# Allegro board FH8858v310_app_board_v1.1.brd (continued)
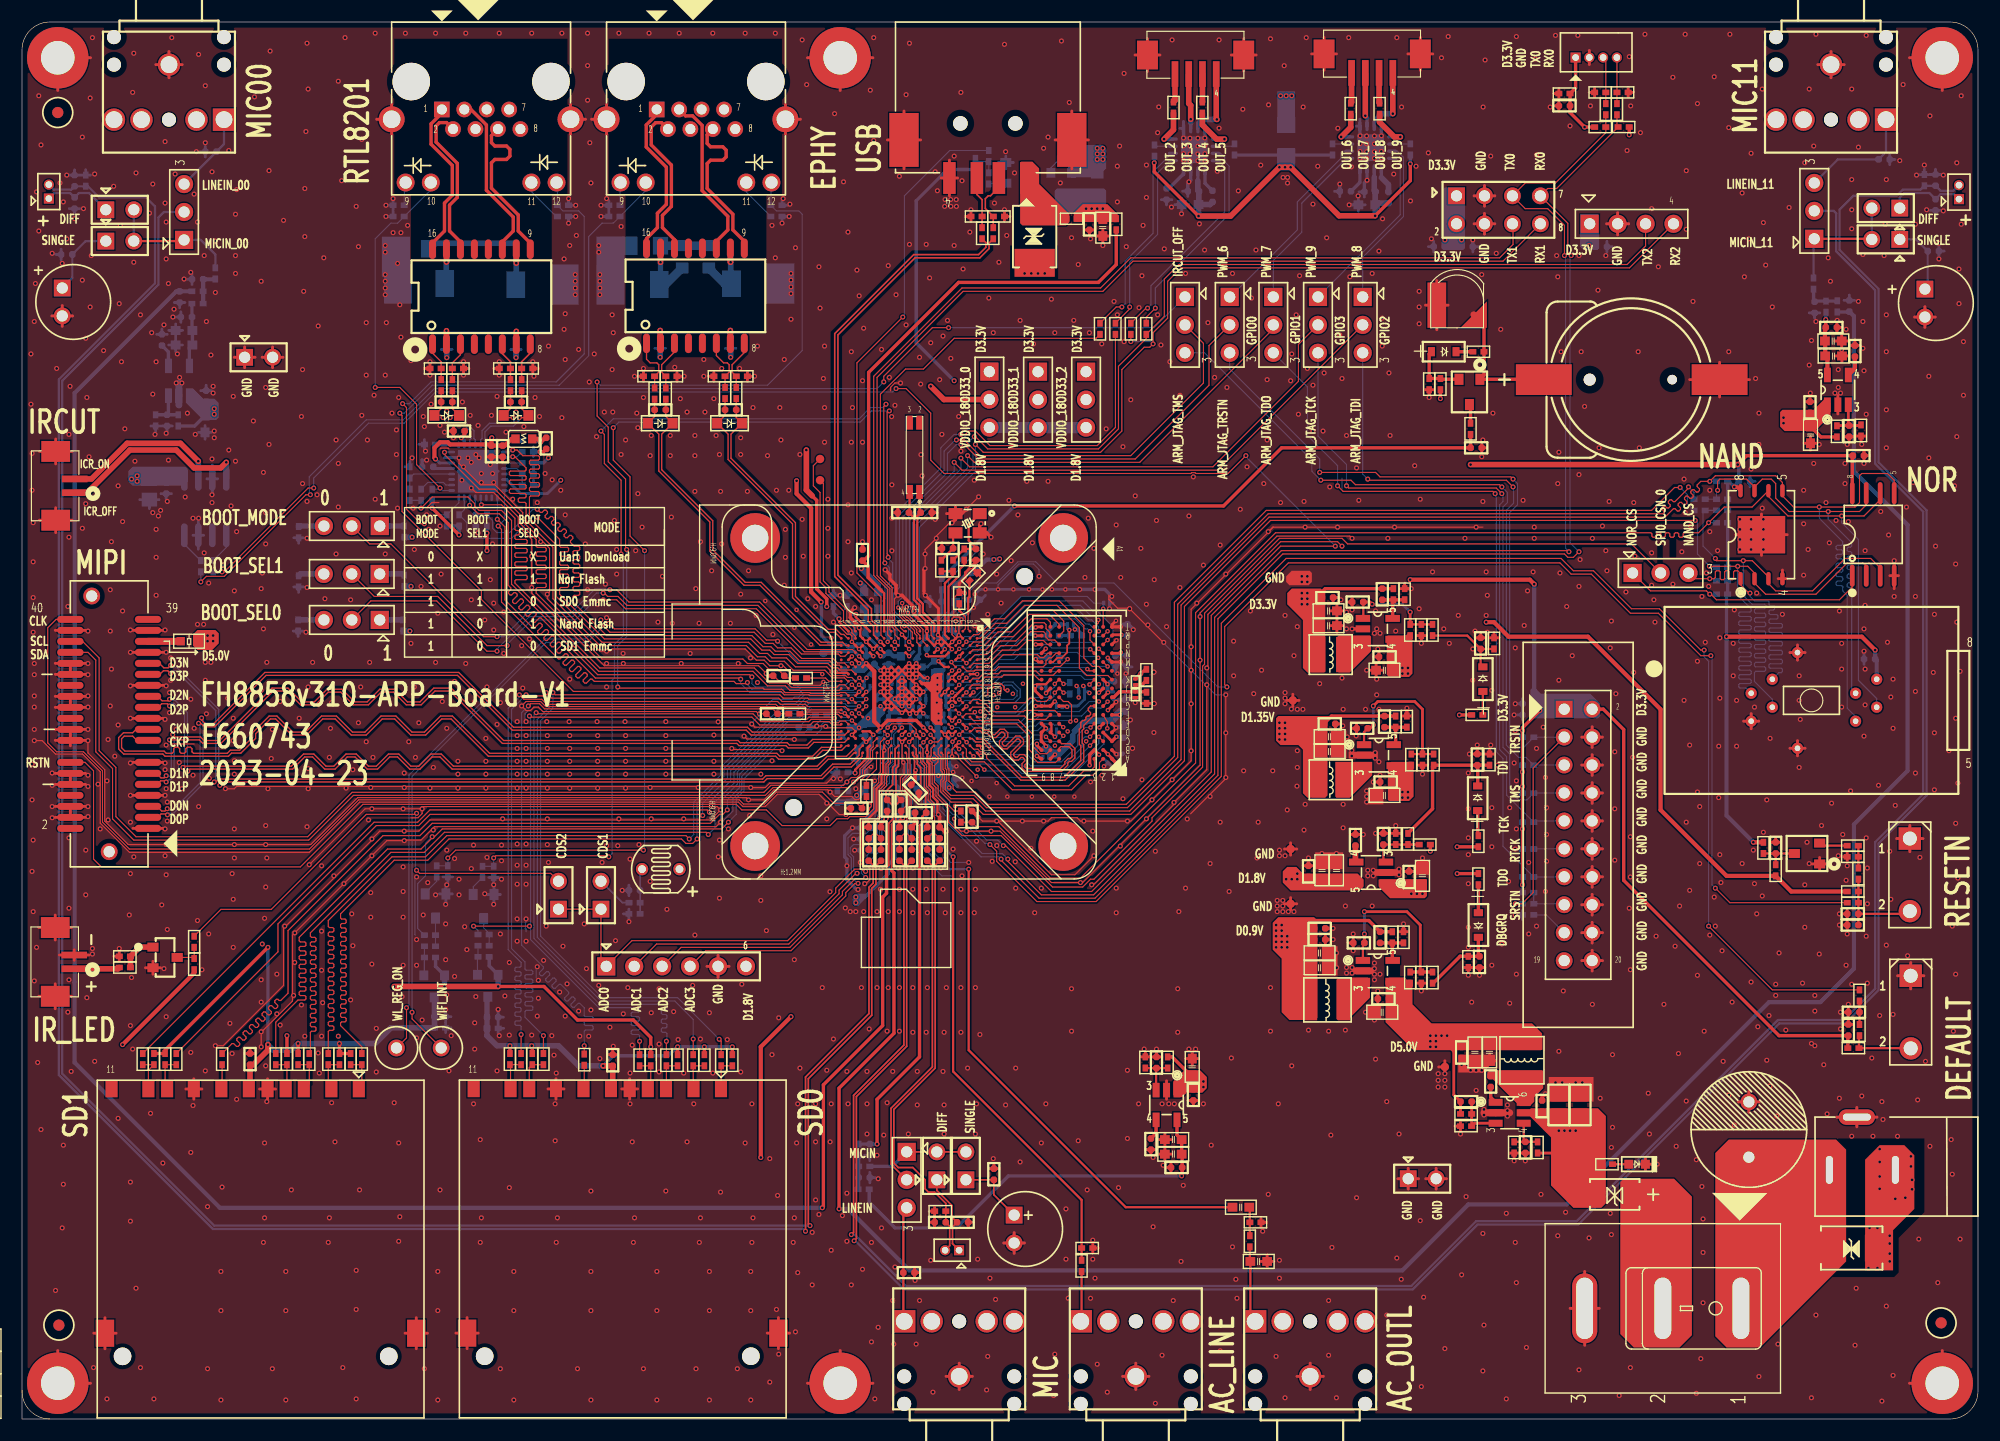
[diagram p0: board, top side]
## Routing (per net, layer and track width the routed paths; a pad name or vN(x,y) marks a point on that pad's centre or on a via; arc(x,y) is an arc through that point) (continued)
SD0_CMD: length 71.1
  TOP w0.102: U6.W14 74.84,63.45 74.35,63.45 74.21,63.3 73.76,63.3 73.46,63.6 71.73,63.6 71.53,63.4 67.16,63.4 66.45,64.11 46.84,64.11 v2(46.74,64.21) ; R79.1 v2(58.57,34.34)
  BOTTOM w0.102: v2(46.74,64.21) 46.53,64.01 46.53,43.69 52.53,37.69 58.47,37.69 58.62,37.54 58.62,37.28 58.52,37.18 58.22,37.18 58.12,37.08 58.12,36.87 58.22,36.77 58.52,36.77 58.62,36.67 58.62,36.47 58.52,36.37 58.22,36.37 58.12,36.26 58.12,36.06 58.22,35.96 58.52,35.96 58.62,35.86 58.62,35.66 58.52,35.55 58.22,35.55 58.12,35.45 58.12,35.25 58.22,35.15 58.52,35.15 58.62,35.05 58.62,34.39 v2(58.57,34.34)
SD0_DATA_0: length 70.1
  TOP w0.102: R68.1 v2(47.4,34.85) ; v2(45.82,65.84) 45.92,65.74 47.35,65.74 47.85,65.23 68.68,65.23 68.94,64.97 71.22,64.97 71.42,64.77 74.82,64.77 U6.W12
  BOTTOM w0.102: v2(45.82,65.84) 44.5,64.52 44.5,42.77 45.72,41.55 45.72,40.91 45.82,40.8 46.33,40.8 46.43,40.7 46.43,40.5 46.33,40.4 45.82,40.4 45.72,40.3 45.72,40.09 45.82,39.99 46.33,39.99 46.43,39.89 46.43,39.69 46.33,39.58 45.82,39.58 45.72,39.48 45.72,39.28 45.82,39.18 46.33,39.18 46.43,39.08 46.43,38.87 46.33,38.77 45.82,38.77 45.72,38.67 45.72,38.47 45.82,38.37 46.33,38.37 46.43,38.26 46.43,38.06 46.33,37.96 45.82,37.96 45.72,37.86 45.72,37.65 45.82,37.55 46.33,37.55 46.43,37.45 46.43,37.25 46.33,37.15 45.82,37.15 45.72,37.04 45.72,36.53 v2(47.4,34.85)
SD0_DATA_1: length 69.5
  TOP w0.102: U6.Y12 71.43,64.47 71.13,64.77 68.72,64.77 68.52,64.97 47.71,64.97 47.24,65.43 45.62,65.43 v2(45.21,65.84) ; R69.1 v2(45.37,34.95)
  BOTTOM w0.102: v2(45.21,65.84) 45.21,65.63 44.2,64.62 44.2,42.67 45.37,41.5 45.37,41.17 45.27,41.07 44.91,41.07 44.81,40.97 44.81,40.77 44.91,40.66 45.27,40.66 45.37,40.56 45.37,40.36 45.27,40.26 44.91,40.26 44.81,40.16 44.81,39.95 44.91,39.85 45.27,39.85 45.37,39.75 45.37,39.55 45.27,39.44 44.91,39.44 44.81,39.34 44.81,39.14 44.91,39.04 45.27,39.04 45.37,38.94 45.37,38.73 45.27,38.63 44.91,38.63 44.81,38.53 44.81,38.33 44.91,38.23 45.27,38.23 45.37,38.12 45.37,37.92 45.27,37.82 44.91,37.82 44.81,37.72 44.81,37.51 44.91,37.41 45.27,37.41 45.37,37.31 45.37,37.11 45.27,37.01 44.91,37.01 44.81,36.9 44.81,36.7 44.91,36.6 45.27,36.6 45.37,36.5 45.37,36.29 45.27,36.19 44.91,36.19 44.81,36.09 44.81,35.89 44.91,35.79 45.27,35.79 45.37,35.69 v2(45.37,34.95)
SD0_DATA_2: length 71.4
  TOP w0.102: R70.1 63.55,34.34 v2(63.37,34.52) ; v2(48.26,66.04) 48.46,65.84 68.88,65.84 69.19,65.53 71.42,65.53 71.53,65.43 74.81,65.43 U6.W11
  BOTTOM w0.102: v2(63.37,34.52) 59.59,38.3 52.73,38.3 47.14,43.89 47.14,63.5 48.26,64.62 v2(48.26,66.04)
SD0_DATA_3: length 70.5
  TOP w0.102: R71.1 v2(61.01,34.54) ; v2(47.65,66.04) 48.16,65.53 68.78,65.53 69.09,65.23 71.32,65.23 71.43,65.12 U6.Y11
  BOTTOM w0.102: v2(47.65,66.04) 47.96,65.74 47.96,64.72 46.84,63.6 46.84,43.79 52.63,38 59.33,38 61.01,36.32 v2(61.01,34.54)
SD1_3.3V: length 50.1
  TOP w0.305: v2(28.85,34.14) 28.86,34.13 R83.1 R84.1 ; R101.1 v2(25.1,34.14) ; v2(22.35,42.88) 13.01,33.53 R86.1 R85.1
  TOP w0.508: v2(22.35,34.04) 22.35,33.53 21.03,32.21 C105.1 20.73,30.1 J5.6
  BOTTOM w0.305: v2(22.35,34.04) v2(22.35,42.88)
  BOTTOM w0.508: MQ2.3 37.49,38.3 C106.1 R92.2 33.53,35.56 32.1,34.14 v2(28.85,34.14) 25.1,34.14 v2(25.1,34.14) 24.49,33.53 22.86,33.53 v2(22.35,34.04)
SD1_CD: length 88.8
  TOP w0.102: U6.V14 v1(75.44,63.5) ; R96.1 23.07,36.07 25.08,38.09 25.7,38.09 25.81,38.19 25.81,38.39 25.7,38.49 25.3,38.49 25.2,38.59 25.2,38.8 25.3,38.9 25.7,38.9 25.81,39 25.81,39.2 25.7,39.31 25.3,39.31 25.2,39.41 25.2,39.61 25.3,39.71 25.7,39.71 25.81,39.81 25.81,40.02 25.7,40.12 25.3,40.12 25.2,40.22 25.2,40.42 25.3,40.52 25.7,40.52 25.81,40.63 25.81,40.83 25.7,40.93 25.3,40.93 25.2,41.03 25.2,41.24 25.3,41.34 25.7,41.34 25.81,41.44 25.81,41.64 25.7,41.74 25.3,41.74 25.2,41.85 25.2,42.05 25.3,42.15 25.7,42.15 25.81,42.25 25.81,42.46 25.7,42.56 25.3,42.56 25.2,42.66 25.2,42.86 25.3,42.96 25.7,42.96 25.81,43.06 25.81,43.27 25.7,43.37 25.3,43.37 25.2,43.47 25.2,43.79 33.22,51.82 36.27,51.82 37.29,52.83 v2(37.29,52.93) 37.49,52.93 38.2,53.64 63.6,53.64 v2(64.21,54.25)
  BOTTOM w0.102: v1(75.44,63.5) 74.16,63.5 74.01,63.34 72.9,63.34 72.67,63.12 72.67,62.72 72.14,62.18 69.6,62.18 65.63,58.22 65.63,57.1 64.92,56.39 64.92,54.97 v2(64.21,54.25) ; v2(37.29,52.93) 36.68,52.32 36.68,49.38 35.97,48.67 35.97,44.6 R94.1
SD1_CLK: length 77.8
  TOP w0.102: v2(64.11,55.37) 63.7,54.97 63.4,54.97 62.59,54.15 37.29,54.15 36.17,53.04 32.82,53.04 24.18,44.4 24.18,38.71 23.52,38.05 23.37,38.05 23.26,38.16 23.12,38.16 22.98,38.01 22.98,37.87 23.24,37.61 23.24,37.46 23.09,37.32 22.95,37.32 22.69,37.58 22.54,37.58 22.4,37.44 22.4,37.29 22.66,37.03 22.66,36.89 22.52,36.74 22.38,36.74 22.11,37.01 21.97,37.01 21.83,36.86 21.83,36.72 22.09,36.46 22.09,36.31 21.94,36.17 21.8,36.17 21.54,36.43 21.39,36.43 21.25,36.29 21.25,36.14 21.51,35.88 21.51,35.74 21.37,35.59 21.23,35.59 20.96,35.86 20.82,35.86 20.68,35.71 20.68,35.57 20.94,35.31 20.94,35.16 20.79,35.02 20.65,35.02 20.39,35.28 20.24,35.28 20.1,35.14 20.1,34.99 20.36,34.73 20.36,34.59 20.22,34.44 20.08,34.44 19.81,34.71 19.67,34.71 19.53,34.56 19.53,34.42 19.79,34.16 19.79,34.01 19.64,33.87 19.5,33.87 19.24,34.13 19.09,34.13 R93.1
  BOTTOM w0.102: R206.2 71.73,64.01 C180.2 69.49,62.89 65.23,58.62 65.23,57.4 64.11,56.29 v2(64.11,55.37)
SD1_CMD: length 80.8
  TOP w0.102: U6.U13 v1(76.09,64.15) ; R98.1 26.21,33.32 26.21,35.15 26.31,35.25 26.62,35.25 26.72,35.35 26.72,35.56 26.62,35.66 26.31,35.66 26.21,35.76 26.21,35.96 26.31,36.06 26.62,36.06 26.72,36.17 26.72,36.37 26.62,36.47 26.31,36.47 26.21,36.57 26.21,36.78 26.31,36.88 26.62,36.88 26.72,36.98 26.72,37.18 26.62,37.28 26.31,37.28 26.21,37.38 26.21,37.59 26.31,37.69 26.62,37.69 26.72,37.79 26.72,37.99 26.62,38.1 26.31,38.1 26.21,38.2 26.21,38.4 26.31,38.5 26.62,38.5 26.72,38.6 26.72,38.81 26.62,38.91 26.31,38.91 26.21,39.01 26.21,39.21 26.31,39.32 26.62,39.32 26.72,39.42 26.72,39.62 26.62,39.72 26.31,39.72 26.21,39.82 26.21,40.03 26.31,40.13 26.62,40.13 26.72,40.23 26.72,40.43 26.62,40.53 26.31,40.53 26.21,40.64 26.21,40.84 26.31,40.94 26.62,40.94 26.72,41.04 26.72,41.25 26.62,41.35 26.31,41.35 26.21,41.45 26.21,41.65 26.31,41.75 26.62,41.75 26.72,41.86 26.72,42.06 26.62,42.16 26.31,42.16 26.21,42.26 26.21,42.46 26.31,42.57 26.62,42.57 26.72,42.67 26.72,42.87 26.62,42.97 26.31,42.97 26.21,43.07 26.21,43.28 26.31,43.38 26.62,43.38 26.72,43.48 26.72,43.68 26.62,43.79 26.31,43.79 26.21,43.89 26.21,44.2 33.53,51.51 36.58,51.51 38.4,53.34 62.18,53.34 v2(62.38,53.14)
  BOTTOM w0.102: v1(76.09,64.15) 75.72,64.52 74.88,64.52 74.63,64.77 71.68,64.77 70.71,63.8 69.71,63.8 64.72,58.81 64.72,57.81 62.99,56.08 62.99,53.75 v2(62.38,53.14)
SD1_DATA_0: length 79.5
  TOP w0.102: v1(76.74,64.8) 76.74,64.78 U6.U12 ; R87.1 23.27,42.47 23.27,45.01 32.21,53.95 36.07,53.95 37.08,54.97 61.77,54.97 v2(61.87,54.86)
  BOTTOM w0.102: v1(76.74,64.8) 76.31,65.23 75.95,65.23 75.79,65.07 75.23,65.07 75.02,65.29 71.39,65.29 70.51,64.41 69.49,64.41 64.11,59.03 64.11,58.22 61.87,55.98 v2(61.87,54.86)
SD1_DATA_1: length 80.1
  TOP w0.102: v1(76.09,64.8) 75.77,64.48 U6.V12 ; R88.1 32,54.25 35.97,54.25 37.08,55.37 62.28,55.37 v2(62.48,55.17)
  BOTTOM w0.102: v2(62.48,55.17) 62.48,56.08 64.41,58.01 64.41,58.93 69.6,64.11 70.61,64.11 71.53,65.02 74.83,65.02 75.05,64.8 v1(76.09,64.8)
SD1_DATA_2: length 80.6
  TOP w0.102: U6.V11 v1(75.44,65.45) ; R89.1 30.89,33.83 28.96,35.76 28.96,36 29.06,36.1 29.36,36.1 29.46,36.2 29.46,36.41 29.36,36.51 29.06,36.51 28.96,36.61 28.96,36.81 29.06,36.92 29.36,36.92 29.46,37.02 29.46,37.22 29.36,37.32 29.06,37.32 28.96,37.42 28.96,37.63 29.06,37.73 29.36,37.73 29.46,37.83 29.46,38.03 29.36,38.14 29.06,38.14 28.96,38.24 28.96,38.44 29.06,38.54 29.36,38.54 29.46,38.64 29.46,38.85 29.36,38.95 29.06,38.95 28.96,39.05 28.96,39.25 29.06,39.35 29.36,39.35 29.46,39.46 29.46,39.66 29.36,39.76 29.06,39.76 28.96,39.86 28.96,40.07 29.06,40.17 29.36,40.17 29.46,40.27 29.46,40.47 29.36,40.57 29.06,40.57 28.96,40.68 28.96,40.88 29.06,40.98 29.36,40.98 29.46,41.08 29.46,41.28 29.36,41.39 29.06,41.39 28.96,41.49 28.96,41.69 29.06,41.79 29.36,41.79 29.46,41.89 29.46,42.1 29.36,42.2 29.06,42.2 28.96,42.3 28.96,42.5 29.06,42.61 29.36,42.61 29.46,42.71 29.46,42.91 29.36,43.01 29.06,43.01 28.96,43.11 28.96,43.32 29.06,43.42 29.36,43.42 29.46,43.52 29.46,43.72 29.36,43.82 29.06,43.82 28.96,43.93 28.96,44.13 29.06,44.23 29.36,44.23 29.46,44.33 29.46,44.54 29.36,44.64 29.06,44.64 28.96,44.74 28.96,44.94 29.06,45.04 29.36,45.04 29.46,45.15 29.46,45.35 29.36,45.45 29.06,45.45 28.96,45.55 28.96,45.92 33.83,50.8 36.88,50.8 38.81,52.73 59.94,52.73 60.35,52.32 60.96,52.32 v2(61.37,52.73)
  BOTTOM w0.102: v2(61.37,52.73) 61.37,55.98 63.8,58.42 63.8,59.13 69.39,64.72 70.41,64.72 71.22,65.53 75.35,65.53 v1(75.44,65.45)
SD1_DATA_3: length 81.8
  TOP w0.102: v2(60.66,52.73) 60.35,53.04 38.61,53.04 36.68,51.1 33.63,51.1 27.84,45.32 27.84,44.78 27.94,44.68 28.24,44.68 28.35,44.58 28.35,44.37 28.24,44.27 27.94,44.27 27.84,44.17 27.84,43.97 27.94,43.87 28.24,43.87 28.35,43.76 28.35,43.56 28.24,43.46 27.94,43.46 27.84,43.36 27.84,43.15 27.94,43.05 28.24,43.05 28.35,42.95 28.35,42.75 28.24,42.65 27.94,42.65 27.84,42.54 27.84,42.34 27.94,42.24 28.24,42.24 28.35,42.14 28.35,41.93 28.24,41.83 27.94,41.83 27.84,41.73 27.84,41.53 27.94,41.43 28.24,41.43 28.35,41.33 28.35,41.12 28.24,41.02 27.94,41.02 27.84,40.92 27.84,40.72 27.94,40.61 28.24,40.61 28.35,40.51 28.35,40.31 28.24,40.21 27.94,40.21 27.84,40.11 27.84,39.9 27.94,39.8 28.24,39.8 28.35,39.7 28.35,39.5 28.24,39.39 27.94,39.39 27.84,39.29 27.84,39.09 27.94,38.99 28.24,38.99 28.35,38.89 28.35,38.68 28.24,38.58 27.94,38.58 27.84,38.48 27.84,38.28 27.94,38.18 28.24,38.18 28.35,38.07 28.35,37.87 28.24,37.77 27.94,37.77 27.84,37.67 27.84,37.46 27.94,37.36 28.24,37.36 28.35,37.26 28.35,37.06 28.24,36.96 27.94,36.96 27.84,36.85 27.84,36.65 27.94,36.55 28.24,36.55 28.35,36.45 28.35,36.25 28.24,36.14 27.94,36.14 27.84,36.04 27.84,35.84 27.94,35.74 28.24,35.74 28.35,35.64 28.35,35.43 28.24,35.33 27.94,35.33 27.84,35.23 R90.1 ; U6.U11 76.74,65.43 v1(76.74,65.45)
  BOTTOM w0.102: v2(60.66,52.73) 61.06,53.14 61.06,56.08 63.5,58.52 63.5,59.23 69.29,65.02 70.31,65.02 71.12,65.84 75.64,65.84 75.9,65.58 76.6,65.58 v1(76.74,65.45)
SPI0_CLK: length 132.4
  TOP w0.102: U9.6 168.91,83.57 167.44,82.09 v2(165.4,82.09) 160.53,82.09 158.75,83.87 U10.6 157.27,82.91 154.74,82.91 v2(153.31,81.48) 152.4,80.57 151.1,80.57 151,80.47 151,80.26 150.9,80.16 150.7,80.16 150.6,80.26 150.6,80.47 150.49,80.57 150.29,80.57 150.19,80.47 150.19,80.26 150.09,80.16 149.89,80.16 149.78,80.26 149.78,80.47 149.68,80.57 149.48,80.57 149.38,80.47 149.38,80.26 149.28,80.16 149.07,80.16 148.97,80.26 148.97,80.47 148.87,80.57 148.67,80.57 148.56,80.47 148.56,80.26 148.46,80.16 148.26,80.16 148.16,80.26 148.16,80.47 148.06,80.57 113.95,80.57 106.68,73.3 106.68,59.64 96.22,49.17 93.47,49.17 88.8,53.85 86.77,53.85 C177.1 R203.1
  BOTTOM w0.102: U14.6 168.59,65.49 166.93,67.16 166.93,79.96 165.4,81.48 v2(165.4,82.09) ; R56.1 154.02,81.48 v2(153.31,81.48)
SPI0_CSN_0: length 97.7
  TOP w0.102: U6.G17 82.64,60.94 82.64,60.29 82.55,60.2 82.55,59.85 82.73,59.66 82.73,57.73 83.08,57.39 83.08,56.64 84.23,55.49 84.23,54.25 85.45,53.04 89,53.04 93.68,48.36 96.42,48.36 97.13,49.07 97.43,49.07 102.72,54.36 102.72,54.66 107.31,59.26 107.31,68.43 107.49,68.61 107.49,73.25 114.3,80.06 119.99,80.06 120.5,79.55 146.3,79.55 JP14.2
SPI0_D_2: length 92.9
  TOP w0.102: U6.E18 84.12,60.47 84.12,59.23 84.26,59.1 84.26,57.98 84.63,57.61 84.63,57.3 84.94,57 86.66,57 87.78,55.88 100.38,55.88 104.75,60.25 104.75,74.25 113.1,82.6 148.13,82.6 150.22,84.68 v2(150.72,84.68)
  BOTTOM w0.102: R58.1 151.38,83.21 151.38,84.02 v2(150.72,84.68)
SPI0_D_3: length 95.4
  TOP w0.102: v2(151.49,84.73) 151.49,84.63 150.25,83.4 150.11,83.4 149.94,83.56 149.8,83.56 149.66,83.41 149.66,83.27 149.82,83.11 149.82,82.97 149.67,82.82 149.53,82.82 149.37,82.98 149.23,82.98 149.08,82.84 149.08,82.7 149.24,82.53 149.24,82.39 149.15,82.3 113.28,82.3 105.05,74.07 105.05,60.15 100.48,55.58 87.68,55.58 86.56,56.69 84.43,56.69 83.92,57.2 83.92,57.9 84.05,58.03 84.05,59.01 83.92,59.15 83.92,60.92 U6.E17
  BOTTOM w0.102: R51.2 151.99,84.23 v2(151.49,84.73)
SPI0_RXD: length 146.5
  TOP w0.102: v2(153.38,77.52) v2(155.96,77.52) 156.87,77.52 157.48,76.91 U10.2 157.48,75.99 158.5,74.98 163.07,74.98 165.91,77.83 167.34,77.83 167.64,77.52 U9.2 ; U6.F17 83.29,60.94 83.29,60.42 83.52,60.2 83.52,58.96 83.65,58.83 83.65,58.2 83.52,58.06 83.52,57.02 84.45,56.08 86.26,56.08 87.38,54.97 100.79,54.97 105.66,59.84 105.66,73.87 113.48,81.69 v2(152.1,81.69)
  BOTTOM w0.102: v2(152.1,81.69) 152.3,81.48 152.3,78.64 153.38,77.56 v2(153.38,77.52) 153.48,77.42 R53.2 ; U14.2 156.71,66.45 156.16,66.45 156.06,66.55 156.06,66.76 156.16,66.86 157.08,66.86 157.18,66.96 157.18,67.16 157.08,67.26 156.16,67.26 156.06,67.37 156.06,67.57 156.16,67.67 157.08,67.67 157.18,67.77 157.18,67.98 157.08,68.08 156.16,68.08 156.06,68.18 156.06,68.38 156.16,68.48 157.08,68.48 157.18,68.59 157.18,68.79 157.08,68.89 156.16,68.89 156.06,68.99 156.06,69.2 156.16,69.3 157.08,69.3 157.18,69.4 157.18,69.6 157.08,69.7 156.16,69.7 156.06,69.8 156.06,70.01 156.16,70.11 157.08,70.11 157.18,70.21 157.18,70.41 157.08,70.52 156.16,70.52 156.06,70.62 156.06,70.82 156.16,70.92 157.08,70.92 157.18,71.02 157.18,71.23 157.08,71.33 156.16,71.33 156.06,71.43 156.06,71.63 156.16,71.74 157.08,71.74 157.18,71.84 157.18,72.04 157.08,72.14 156.16,72.14 156.06,72.24 156.06,72.45 156.16,72.55 157.08,72.55 157.18,72.65 157.18,72.85 157.08,72.95 156.16,72.95 156.06,73.06 156.06,73.26 156.16,73.36 157.08,73.36 157.18,73.46 157.18,73.65 155.96,74.88 v2(155.96,77.52)
SPI0_TXD: length 147.1
  TOP w0.102: U6.F18 83.72,60.42 83.72,59.06 83.85,58.93 83.85,58.11 83.72,57.98 83.72,57.1 84.43,56.39 86.46,56.39 87.58,55.27 100.69,55.27 105.36,59.94 105.36,73.99 113.36,81.99 149.35,81.99 150.12,82.75 150.26,82.75 150.47,82.54 150.61,82.54 150.76,82.69 150.76,82.83 150.55,83.04 150.55,83.19 150.69,83.33 150.83,83.33 151.05,83.12 151.19,83.12 151.33,83.26 151.33,83.41 151.12,83.62 151.12,83.76 151.27,83.9 151.41,83.9 151.62,83.69 151.76,83.69 151.91,83.84 151.91,83.98 151.7,84.19 151.7,84.34 151.84,84.48 151.98,84.48 152.2,84.27 152.34,84.27 152.48,84.41 152.48,84.56 152.27,84.77 152.27,84.91 152.6,85.24 153.42,85.24 v2(153.42,85.24) 153.93,85.75 159.41,85.75 160.02,85.14 U10.5 160.02,83.92 161.04,82.91 v2(163.37,82.91) 166.62,82.91 167.03,83.31 167.03,85.75 167.23,85.95 169.57,85.95 170.18,85.34 U9.5
  BOTTOM w0.102: U14.5 166.67,63.86 165.91,64.62 165.91,74.88 165.51,75.29 165.51,75.66 165.4,75.76 165,75.76 164.9,75.87 164.9,76.07 165,76.17 165.4,76.17 165.51,76.27 165.51,76.47 165.4,76.58 165,76.58 164.9,76.68 164.9,76.88 165,76.98 165.4,76.98 165.51,77.08 165.51,77.29 165.4,77.39 165,77.39 164.9,77.49 164.9,77.69 165,77.8 165.4,77.8 165.51,77.9 165.51,78.1 165.4,78.2 165,78.2 164.9,78.3 164.9,78.51 165,78.61 165.4,78.61 165.51,78.71 165.51,78.91 165.4,79.01 165,79.01 164.9,79.12 164.9,79.32 165,79.42 165.4,79.42 165.51,79.52 165.51,79.76 163.37,81.89 v2(163.37,82.91) ; R57.1 v2(153.42,85.24)
UART0_RX: length 136.4
  TOP w0.102: R127.1 144.98,117.55 R122.1 145.08,117.45 139.5,111.86 138.68,111.86 U15.7 140.51,108.7 140.51,106.07 v2(140.82,105.77) ; v2(89,50.9) 89,50.8 92.46,47.35 97.54,47.35 108.71,58.52 108.71,72.75 114.6,78.64 140.21,78.64 140.51,78.33 141.02,78.33 v2(141.53,78.84) ; U6.J15 v1(81.94,62.2)
  BOTTOM w0.102: v2(140.82,105.77) 140.72,105.66 140.72,79.65 v2(141.53,78.84) ; v1(81.94,62.2) 81.48,61.75 81.48,60.06 81.83,59.72 81.83,59.5 82.19,59.13 82.19,57.1 83.41,55.88 83.41,55.37 84.02,54.76 84.02,54.26 87.17,51.1 88.8,51.1 v2(89,50.9)
UART0_TX: length 137.5
  TOP w0.102: v2(89.61,50.9) 89.61,50.7 92.66,47.65 97.41,47.65 108.41,58.65 108.41,72.87 114.48,78.94 140.51,78.94 v2(140.61,78.84) ; v2(140.21,105.77) 140.21,108.51 138.68,110.03 136.64,110.03 U15.5 136.65,112.37 139.4,112.37 143.97,116.94 R124.1 143.96,117.45 R125.1 ; U6.H16 81.94,61.54 v1(81.94,61.52)
  BOTTOM w0.102: v1(81.94,61.52) 81.69,61.26 81.69,60.15 82.03,59.8 82.03,59.59 82.4,59.22 82.4,57.3 83.72,55.98 83.72,55.47 84.33,54.86 84.33,54.36 87.27,51.41 89.1,51.41 v2(89.61,50.9) ; v2(140.61,78.84) 140.31,79.15 140.31,105.66 v2(140.21,105.77)
UART1_RX: length 89.7
  TOP w0.102: U6.N1 78.89,71.74 78.89,75.51 77.72,76.67 77.72,94.69 85.55,102.51 98.25,102.51 100.99,105.26 134.62,105.26 U15.8
UART1_TX: length 89.5
  TOP w0.102: U15.6 135.53,108.6 135.53,106.78 134.32,105.56 100.79,105.56 98.04,102.82 85.45,102.82 77.42,94.79 77.42,76.69 78.69,75.42 78.69,71.3 U6.N2
UART2_RX: length 102
  TOP w0.102: J16.4 146.11,104.65 105.36,104.65 104.14,103.43 104.14,100.08 102.82,98.76 v2(102.82,97.74) 102.51,97.43 102.01,97.43 99.97,95.4 99.97,89.81 98.04,87.88 87.38,87.88 v2(86.66,88.6) ; U6.K3 v1(80.64,70.65) ; R212.2 v2(100.79,97.95)
  BOTTOM w0.102: v1(80.64,70.65) 80.77,70.78 80.77,72.25 81.69,73.17 81.69,73.86 81.58,73.96 81.58,81.08 86.66,86.16 v2(86.66,88.6) ; v2(102.82,97.74) 102.61,97.95 v2(100.79,97.95)
UART2_TX: length 99.7
  TOP w0.102: J16.3 147.58,106.64 145.9,104.95 105.16,104.95 103.84,103.63 103.84,100.24 R156.2 102.2,98.23 99.67,95.71 99.67,90.02 97.84,88.19 87.78,88.19 86.66,89.31 v2(86.56,89.31) ; U6.L3 80.64,70 v1(80.64,70)
  BOTTOM w0.102: v2(86.56,89.31) 86.06,88.8 86.06,88.19 86.46,87.78 86.46,86.46 81.28,81.28 81.28,73.75 81.43,73.59 81.43,73.28 81.21,73.06 81.08,73.06 80.57,72.54 80.57,71.12 80.28,70.83 80.28,70.35 v1(80.64,70)
USB_DM: length 46.4
  TOP w0.14: R146.1 87.91,106.91 87.91,106.4 87.07,105.56 81.18,105.56 74.17,98.55 74.17,76.71 77.22,73.66 77.22,72.64 77.7,72.16 77.7,71.63 U6.R1
USB_DP: length 47.2
  TOP w0.14: R147.1 87.62,106.94 87.62,106.52 86.95,105.85 81.06,105.85 73.88,98.67 73.88,76.59 76.92,73.54 76.92,72.52 77.41,72.04 77.41,71.28 U6.R2
USB_PWREN: length 52.4
  TOP w0.102: v2(80.06,100.18) 75.9,96.01 75.9,76.91 78.08,74.73 78.08,71.26 U6.P2
  BOTTOM w0.102: R162.1 87.88,115.32 84.33,115.32 80.21,111.2 80.21,100.33 v2(80.06,100.18)
USB_VBUS: length 54.4
  TOP w0.203: 78.14,75.27 78.37,75.05 U6.P1
  TOP w0.305: 78.14,75.27 76.91,76.5 76.91,77.52 C196.1 76.51,78.03 76.96,78.48 76.96,95.14 85.14,103.33 97.84,103.33 99.47,104.95 99.47,108.1 R158.2
USBN: length 5.4
  TOP w0.14: R146.2 88.29,109.32 D13.A 87.57,110.05 87.57,110.93 87.83,111.2 88.04,111.2 88.8,111.96 J21.2
USBP: length 4.7
  TOP w0.14: R147.2 87.27,109.32 D14.K 87.27,110.85 86.8,111.32 J21.3
VM: length 53.8
  TOP w0.305: v2(102.92,114.2) 102.92,113.39 v2(106.95,109.36) ; v2(123,109.39) 126.2,112.58 v2(126.2,114.11)
  TOP w0.508: v2(123,109.39) 119.72,109.39 v2(115.32,113.79) v2(114.81,113.79) v2(114.3,113.79) 109.87,109.36 v2(106.95,109.36)
  BOTTOM w0.305: R207.1 115.04,114.9 114.91,114.78 114.78,114.9 R209.1 ; R208.1 v2(126.2,114.11) ; 106.89,112.58 U26.10 ; R211.1 102.94,114.22 v2(102.92,114.2) ; 122.92,112.88 U27.10
  BOTTOM w0.508: 106.89,112.58 106.89,111.72 C184.2 106.98,110.44 C185.2 ; C181.2 v2(123,109.39) ; C181.2 123,111.53 C183.2 122.92,111.68 122.92,112.88 ; C181.2 123.16,110.54 C182.2 ; C185.2 v2(106.95,109.36) ; C185.2 107.98,110.4 C187.2
VREFCA0: length 6.7
  TOP w0.152: v1(95.2,71.73) 95.2,70.51 95.01,70.32 95.01,69.69 94.52,69.2 94.11,69.2 93.73,68.81 UR1.M8
  BOTTOM w0.305: RR11.1 RR13.2 95.2,71.33 v1(95.2,71.73) 95.03,71.89 CR33.1 CR28.2
VREFDQ0: length 5.2
  TOP w0.305: RR5.1 101.82,66.75 CR1.2 101.21,66.12 CR15.1 ; RR9.2 102.18,66.11 CR15.1 ; CR15.1 99.74,66.11 99.24,65.61 UR1.H1
WIFI_INT: length 73.6
  TOP w0.102: U6.V6 v1(75.44,68.7) ; v2(35.46,36.97) 35.46,36.37 T14.1 ; v2(68.68,70.71) 68.58,70.82 67.67,70.82 66.65,71.83 53.85,71.83 53.36,72.32 v2(53.31,72.32)
  BOTTOM w0.102: v2(35.46,36.97) 35.46,55.37 35.46,58.42 47.65,70.61 51.41,70.61 53.19,72.39 53.29,72.39 53.29,72.32 v2(53.31,72.32) ; v2(68.68,70.71) 70.61,68.78 75.35,68.78 v1(75.44,68.7)
WL_REG_ON: length 73.2
  TOP w0.102: v2(34.95,37.39) 34.95,34.65 T15.1 ; U6.W6 74.75,68.73 74.12,68.73 73.71,69.14 70.87,69.14 69.9,70.1 68.68,70.1 68.28,70.51 67.56,70.51 66.55,71.53 53.44,71.53 52.63,72.34 52.63,72.64 v2(52.62,72.64)
  BOTTOM w0.102: v2(34.95,37.39) 35.17,37.61 35.17,55.46 35.17,55.46 35.17,58.54 47.55,70.92 51.21,70.92 52.63,72.34 52.63,72.64 v2(52.62,72.64)
WP: length 53.8
  TOP w0.102: v2(153.92,78.23) 153.92,78.13 154.03,78.03 v2(156.46,78.03) 157.28,78.03 158.75,76.55 U10.3 158.75,75.94 159.41,75.29 162.76,75.29 165.71,78.23 168.05,78.23 168.91,77.37 U9.3
  BOTTOM w0.102: v2(156.46,78.03) 156.46,74.88 157.28,74.07 158.39,74.07 158.5,73.96 158.5,73.76 158.39,73.66 157.58,73.66 157.48,73.56 157.48,73.36 157.58,73.25 158.39,73.25 158.5,73.15 158.5,72.95 158.39,72.85 157.58,72.85 157.48,72.75 157.48,72.54 157.58,72.44 158.39,72.44 158.5,72.34 158.5,72.14 158.39,72.03 157.58,72.03 157.48,71.93 157.48,71.73 157.58,71.63 158.39,71.63 158.5,71.53 158.5,71.32 158.39,71.22 157.58,71.22 157.48,71.12 157.48,70.92 157.58,70.82 158.39,70.82 158.5,70.71 158.5,70.51 158.39,70.41 157.58,70.41 157.48,70.31 157.48,70.1 157.58,70 158.39,70 158.5,69.9 158.5,69.7 158.39,69.6 157.58,69.6 157.48,69.49 157.48,69.29 157.58,69.19 158.39,69.19 158.5,69.09 158.5,68.88 158.39,68.78 157.58,68.78 157.48,68.68 157.48,68.48 157.58,68.38 158.39,68.38 158.5,68.28 158.5,68.07 158.39,67.97 157.58,67.97 157.48,67.87 157.48,67.06 159.1,65.43 U14.3 ; v2(153.92,78.23) 152.81,79.35 152.81,82.4 R58.2 153.01,82.6 R55.2
XAIN0_SADC: length 52.6
  TOP w0.102: v2(76.68,49.79) 76.61,49.79 76.5,49.79 76.3,49.99 75.69,49.99 73.96,48.26 73.96,47.85 69.6,43.48 55.44,43.48 J14.1 52.63,41.63 JP29.1 JP30.1
  TOP w0.127: U6.M15 79.99,62.83 v1(79.99,62.85)
  BOTTOM w0.102: v1(79.99,62.85) 79.87,62.85 79.25,62.23 79.25,61.33 79.35,61.23 79.35,59.69 78.84,59.18 78.84,57.81 78.33,57.3 78.33,54.89 78.16,54.72 78.16,51.84 77.11,50.8 77.11,50.22 v2(76.68,49.79)
  BOTTOM w0.305: C97.1 79.76,63.08 v1(79.99,62.85)
XAIN1_SADC: length 38.9
  TOP w0.102: v2(75.91,49.61) 75.79,49.61 74.27,48.08 74.27,47.75 69.7,43.18 57.68,43.18 J14.2 ; v1(78.69,61.53) 79.02,61.86 U6.N16
  BOTTOM w0.102: v2(75.91,49.61) 75.59,49.93 75.59,51.1 75.29,51.41 75.29,51.92 75.59,52.22 76.76,52.22 C156.1 77.75,53.21 77.75,54.89 77.93,55.06 77.93,57.51 78.44,58.01 78.44,59.35 78.94,59.86 78.94,61.06 78.69,61.31 v1(78.69,61.53)
XAIN2_SADC: length 37.6
  TOP w0.102: v1(79.34,62.85) 79.02,62.53 U6.N15 ; J14.3 59.91,42.88 69.8,42.88 74.57,47.65 74.57,47.96 75.74,49.12 76.5,49.12 76.61,49.23 v2(76.69,49.23)
  BOTTOM w0.102: v1(79.34,62.85) 79.34,62.61 79.04,62.31 79.04,61.25 79.15,61.14 79.15,59.77 78.64,59.27 78.64,57.93 78.13,57.42 78.13,54.98 77.95,54.8 77.95,52.39 C157.1 76.81,51.25 76.81,50.45 76.3,49.94 76.3,49.63 76.61,49.32 76.61,49.31 v2(76.69,49.23)
XAIN3_SADC: length 35.5
  TOP w0.102: v1(78.69,62.18) 78.69,62.2 U6.P15 ; v2(76,48.69) 75.97,48.67 75.69,48.67 74.88,47.85 74.88,47.55 69.9,42.57 62.15,42.57 J14.4
  BOTTOM w0.102: v2(76,48.69) 75.97,48.69 75.39,49.28 75.39,51 75.08,51.31 75.08,52.83 75.49,53.24 76.77,53.24 C189.1 77.55,54.01 77.55,55.04 77.72,55.22 77.72,57.61 78.23,58.12 78.23,59.43 78.74,59.94 78.74,60.98 78.33,61.38 78.33,61.68 78.69,62.03 v1(78.69,62.18)
N00509: length 4.1
  BOTTOM w0.152: R132.2 56.19,45.93 R129.1 56.18,46.95 C149.1 56.18,49.81 D12.K
N00760: length 3.3
  TOP w0.102: R68.2 R67.2 46.11,31.93 J4.9
N00772: length 3.2
  TOP w0.102: R69.2 R66.2 44.41,32.15 J4.10
N00784: length 3.1
  TOP w0.102: J4.1 63.55,30.02 R70.2 R65.2
N00796: length 3.1
  TOP w0.102: R64.2 R71.2 61.01,30.03 J4.2
N00808: length 2.2
  TOP w0.102: J4.7 51.11,30.08 R72.2
N00832: length 3.2
  TOP w0.102: R77.2 R81.2 57.15,30.27 J4.4
N00844: length 3.1
  TOP w0.102: J4.3 58.57,30.04 R79.2 R82.2
N02229: length 3.3
  TOP w0.102: J5.9 13.01,30.18 R86.2 R87.2
N02233: length 3.4
  TOP w0.102: R88.2 R85.2 11.49,31.71 J5.10
N02237: length 3.3
  TOP w0.102: R84.2 R89.2 30.89,30.27 J5.1
N02241: length 3.3
  TOP w0.102: R83.2 R90.2 27.84,30.28 J5.2
N02245: length 2.2
  TOP w0.102: R93.2 18.19,30.07 J5.7
N02253: length 3.3
  TOP w0.102: J5.4 24.08,30.11 R100.2 R96.2
N02257: length 3.4
  TOP w0.102: R101.2 R98.2 26.11,30.49 J5.3
N02694: length 2.1
  BOTTOM w0.254: U25.1 37.64,88.56 R191.1
N02800: length 1.7
  BOTTOM w0.254: U25.29 37.54,86.41 C175.1
N02838: length 3.1
  BOTTOM w0.102: R195.2 36.89,85.14 38.3,85.14 38.54,84.91 U25.26
N02910: length 1.5
  TOP w0.305: C174.1 40.23,89.51 v2(39.93,89.2)
  BOTTOM w0.305: v2(39.93,89.2) 40.2,88.93 U25.2
N04317: length 2.9
  BOTTOM w0.102: U19.8 14.76,79.53 R144.1
N04321: length 2.8
  BOTTOM w0.102: R145.1 18.57,79.23 U19.5
N04628: length 4.2
  TOP w0.102: R127.2 144.98,120.6 D9.K 144.98,123.76 J12.4
N04632: length 4.3
  TOP w0.102: J12.3 143.97,123.53 D10.K 143.97,119.58 R125.2
N05813: length 2.6
  TOP w0.203: C146.2 111.61,19.2 RF2.2 RF1.1
N05817: length 7
  TOP w0.203: CN5.1 111.66,9.31 C147.1 111.61,14.37 RF1.2